# Altium PCB Control_Board.Pcbdoc (part 1 of 2) (continued)
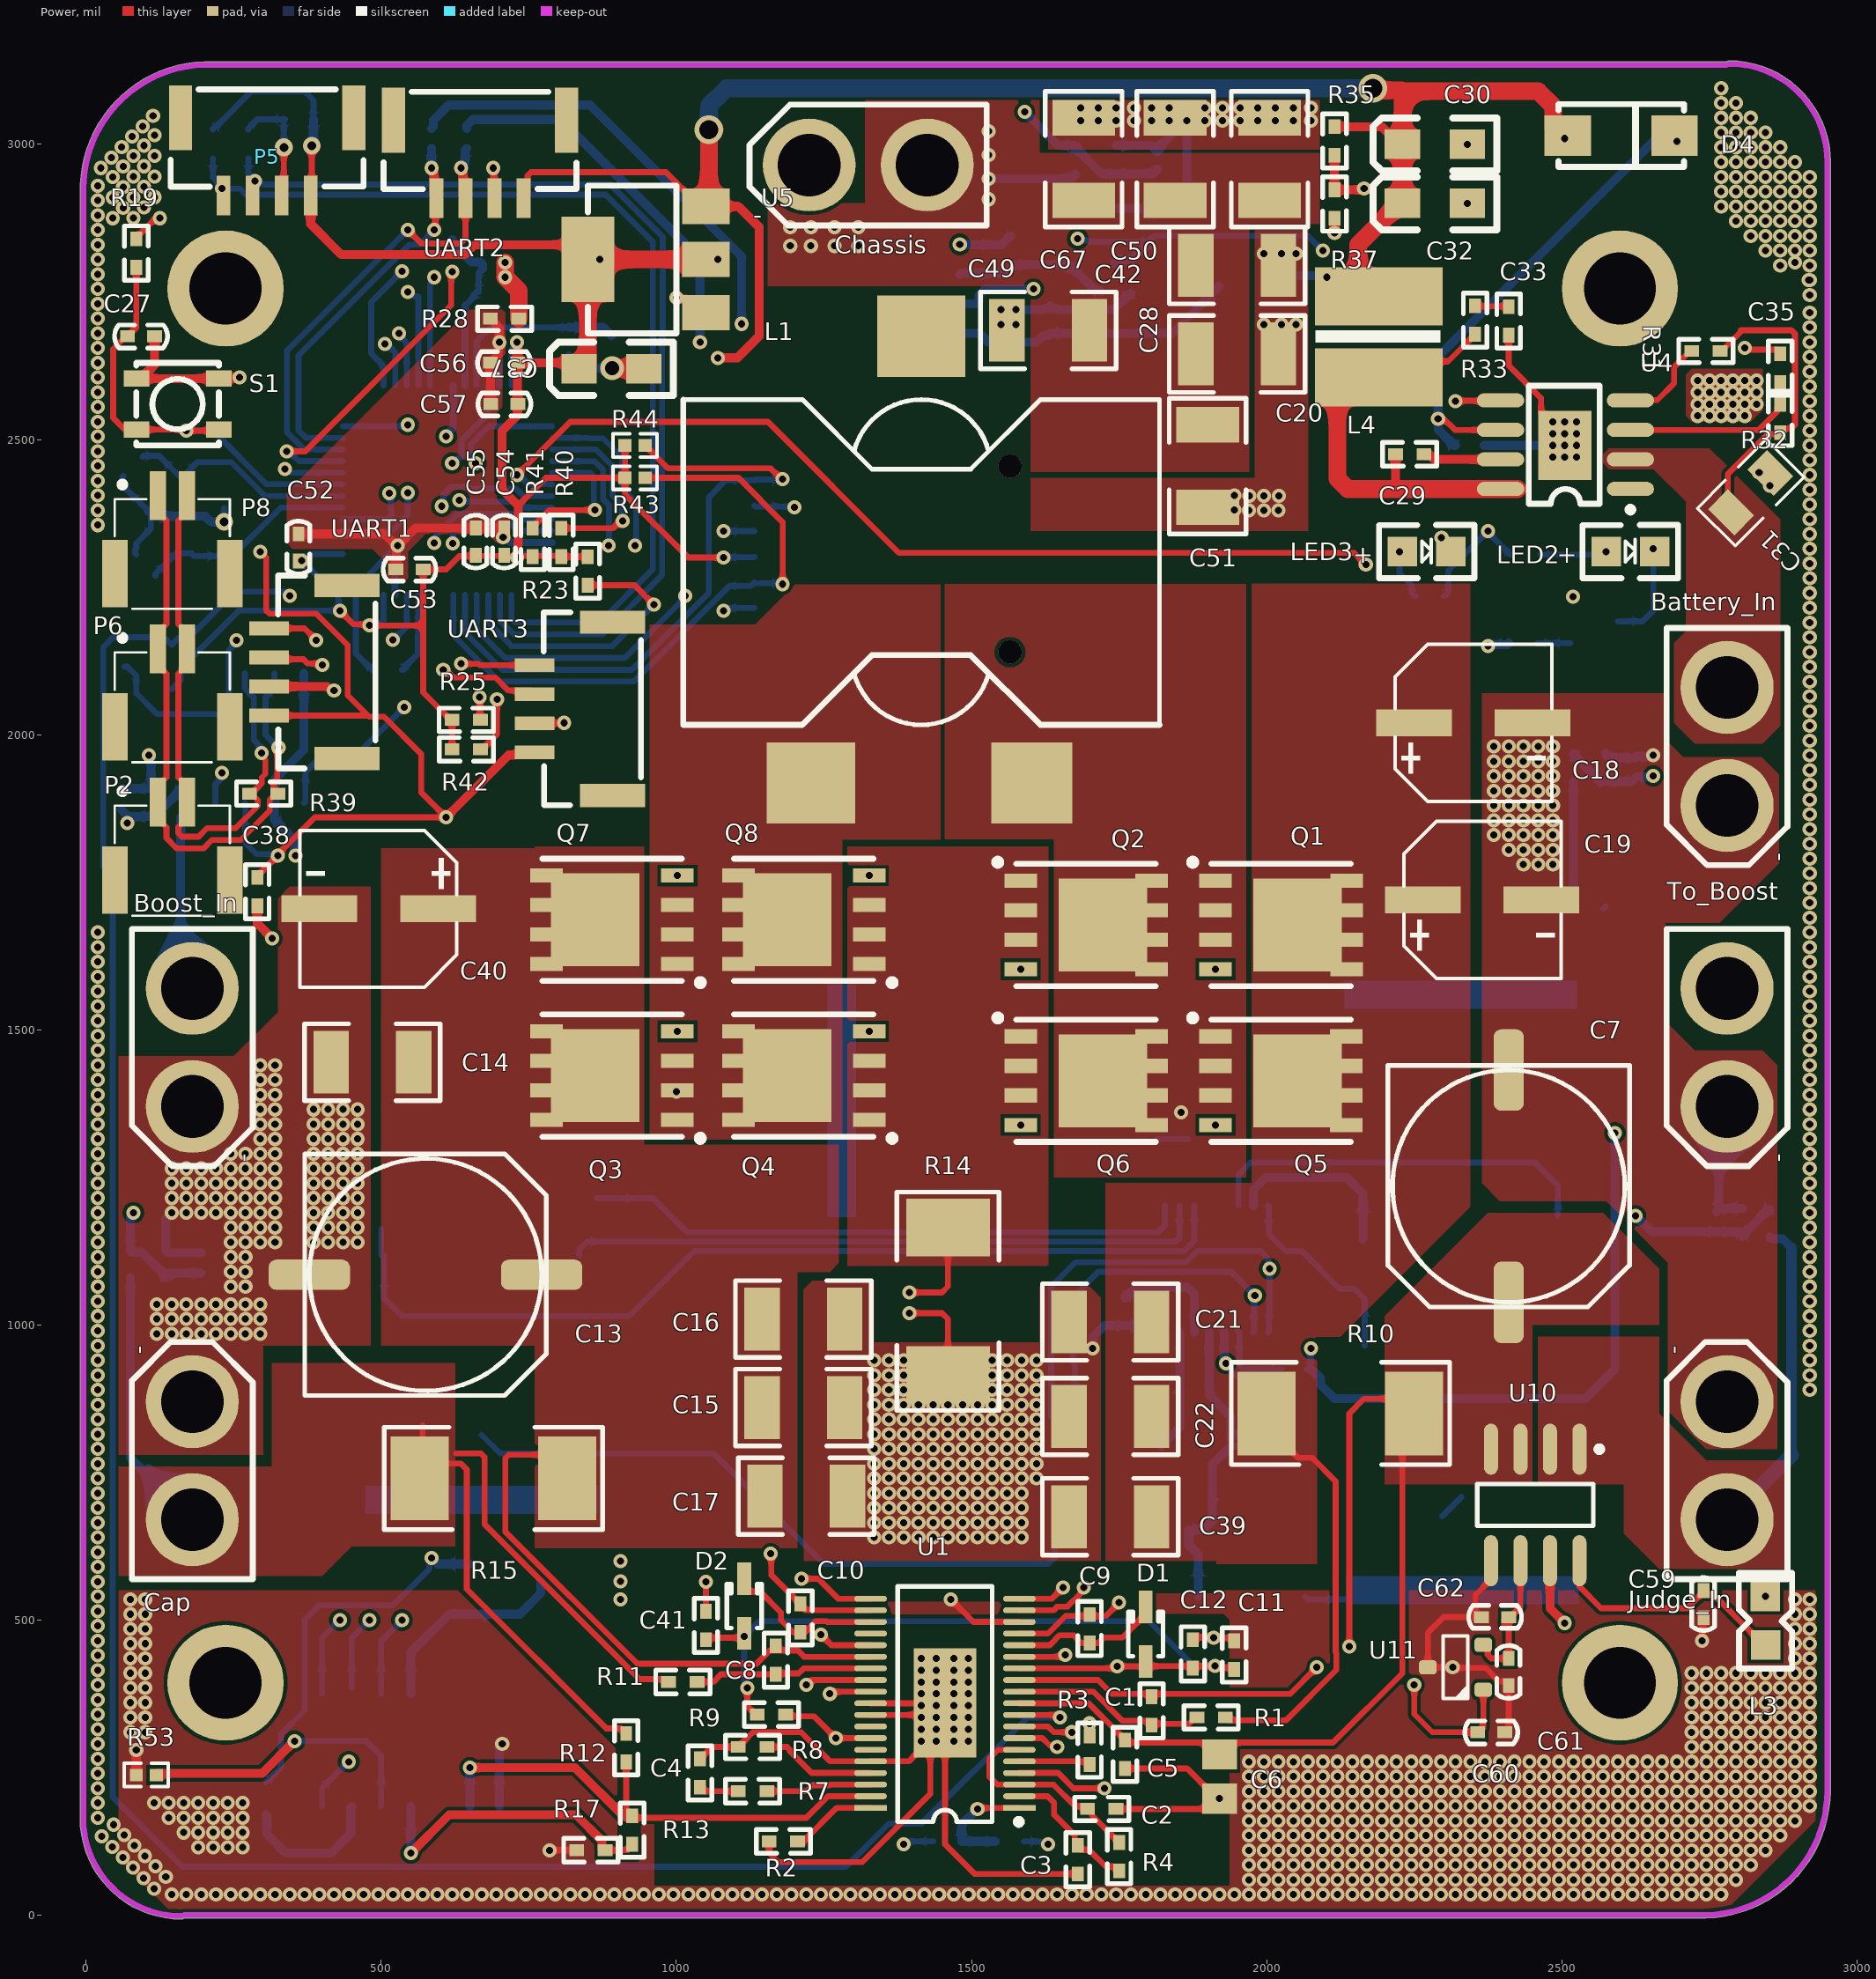
[diagram p0: Power view]
## Footprints (in the part's own frame and the unit in brackets; to place one, negate y for a bottom-side part, rotate by r counter-clockwise, add the part's x,y. Pads: shape width x height; smd on the part's side, far side on the other; paste and mask are expansions set on the pad)
6.3*7.7MM [mm] "6.3*7.7MM电解电容"
  rect 3.26x1.15 smd: 1(2.555,0) 2(-2.555,0)
  silkscreen extent -3.39,-3.38 3.36,3.38
"16P 0.635mm SSOP" [mm]
  oval 1.45x0.45 smd: 1(-2.725,2.222) 2(-2.725,1.588) 3(-2.725,0.953) 4(-2.725,0.318) 5(-2.725,-0.317) 6(-2.725,-0.952) 7(-2.725,-1.587) 8(-2.725,-2.222) 9(2.725,-2.222) 10(2.725,-1.588) 11(2.725,-0.953) 12(2.725,-0.318) 13(2.725,0.317) 14(2.725,0.952) 15(2.725,1.587) 16(2.725,2.222)
  silkscreen extent -1.6,-2.5 1.6,2.5, body extent -2,-2.5 2,2.5, height 2
0805-1C [mm]
  rect 1.2x1.6 smd: 1(-1.2,0) 2(1.2,0)
  silkscreen extent -2.1,-1.15 2.1,1.15, body extent -1.46,-0.72 1.54,0.68, height 0.93
0805-2 [mm] "贴片无丝印"
  rect 1.3x1.5 smd: 1(-0.95,0) 2(0.95,0)
1210 [mil] "贴片元件"
  rect 60x106.3 smd: 1(-70,0) 2(70,0)
  silkscreen extent -115,-65 115,65, body extent -65,-50 65,50, height 39
1210C [mil]
  rect 60x100 smd: 1(-0.2,0.32) 2(134.8,0.32)
  silkscreen extent -50,-70 185,70, body extent 4,-49 130,50, height 51
2512 [mm] "保险丝"
  rect 2.5x3.6 smd: 1(-3.175,0) 2(3.175,0)
  silkscreen extent -4.7,-2.2 4.7,2.2, body extent -3.18,-1.65 3.18,1.65, height 1.2
3216 [mil]
  rect 60x50 smd: 1(55,0) 2(-55,0)
  silkscreen extent -105,-45 105,45, body extent -63,-31 63,31, height 63
C10X10 [mm]
  rrect50% 3.5x1.3 smd: 1(-5,0) 2(5,0)
  silkscreen extent -5.2,-5.2 5.2,5.2, body extent -5.77,-5.12 5.83,5.18, height 10.21
c0402#1 [mil]
  rect 25x20 smd: 1(-1,0) 2(45,0)
  silkscreen extent -23,-19 67,20, body extent 2,-10 42,10, height 20
c0402#2 [mil]
  rect 31.11x21.26 smd paste-3937.01 mask+2: 1(-21.46,0) 2(21.46,0)
  silkscreen extent -46,-20 46,20
CD43NP [mm] "功率电感"
  rect 2x4.5 smd: 1(-1.512,0) 2(1.488,0)
  silkscreen extent -0.17,-2.21 0.17,2.24, body extent -2.41,-2.14 2.39,2.16, height 3.5
CD54NP [mm]
  rect 2.5x5.5 smd mask+0: 1(-1.752,-0.001) 2(1.748,-0.001)
  silkscreen extent -0.25,-2.64 0.28,2.72, body extent -2.89,-2.6 2.87,2.6, height 4.5
DO-214 [mm]
  rect 2x1.75 smd: 1(0,0) 2(4.6,0)
  silkscreen extent -0.4,-1.35 5,1.35, body extent -0.2,-1.34 4.91,1.33, height 2.12
gh1.25 [mm]
  rect 1.1x2.9 smd: 0(-2.25,0.8) 0(2.7,0.8)
  rect 0.7x2.1 smd: 1(0.85,-2.55) 2(-0.4,-2.55)
  silkscreen extent -2.25,-3.15 2.7,2.32, body extent -2.09,-3.41 2.41,2.39, height 4.1
GH1.25 [mm]
  rect 1.1x2.9 smd: 0(-2.25,0.8) 0(2.7,0.8)
  rect 0.7x2.1 smd: 1(0.85,-2.55) 2(-0.4,-2.55)
  silkscreen extent -2.25,-3.15 2.7,2.32, body extent -2.09,-3.41 2.41,2.39, height 4.1
"GH1.25 4P 立贴" [mm]
  rect 0.6x1.7 smd: 1(-1.809,2.44) 2(-0.559,2.44) 3(0.691,2.44) 4(1.941,2.44)
  rect 1x2.8 smd: 5(3.791,-0.91) 6(-3.659,-0.91)
  silkscreen extent -4.08,-2.13 4.22,2.05
"gh1.25 4p 立贴" [mm]
  rect 0.6x1.7 smd: 1(-1.809,2.44) 2(-0.559,2.44) 3(0.691,2.44) 4(1.941,2.44)
  rect 1x2.8 smd: 5(3.791,-0.91) 6(-3.659,-0.91)
  silkscreen extent -4.08,-2.13 4.22,2.05
"INFINEON PG-HSOF-8-1" [mm]
  oval 2.7x1 smd: 1(-5.025,4.2) 2(-5.025,3) 3(-5.025,1.8) 4(-5.025,0.6) 5(-5.025,-0.6) 6(-5.025,-1.8) 7(-5.025,-3) 8(-5.025,-4.2)
  rect 6.75x8 smd: 9(2.7,0)
  Power region: 4.9,5 6.1,5 6.1,-5 4.9,-5
  silkscreen extent -5.62,-5.3 4.9,5.53, body extent -5.81,-4.95 5.92,4.95, height 2.3
KEY_SMD [mm]
  rect 1.1x0.7 smd: 1(-1.775,-1.1) 1(1.775,-1.1) 2(-1.775,1.1) 2(1.775,1.1)
  silkscreen extent -1.78,-1.78 1.78,1.78
l0805 [mil] "1/8W"
  rect 50x50 smd: 1(0,0) 2(82.3,0.2)
  silkscreen extent -40,-45 122,45, body extent 1,-24 80,25, height 22
LED0805 [mil]
  rect 50x50 smd: 1(0,0) 2(82.3,0.2)
  silkscreen extent -40,-45 122,45, body extent 2,-25 80,25, height 20
LM358 [mil]
  oval 80x24 smd: 1(-96,79) 2(-96,29) 3(-96,-21) 4(-96,-71) 5(124,-71) 6(124,-21) 7(124,29) 8(124,79)
  silkscreen extent -36,-96 64,104, body extent -104,-94 134,104, height 63
LQFP-48 [mm]
  oval 2x0.3 smd: 1(-4.5,2.75) 2(-4.5,2.25) 3(-4.5,1.75) 4(-4.5,1.25) 5(-4.5,0.75) 6(-4.5,0.25) 7(-4.5,-0.25) 8(-4.5,-0.75) 9(-4.5,-1.25) 10(-4.5,-1.75) 11(-4.5,-2.25) 12(-4.5,-2.75) 25(4.5,-2.75) 26(4.5,-2.25) 27(4.5,-1.75) 28(4.5,-1.25) 29(4.5,-0.75) 30(4.5,-0.25) 31(4.5,0.25) 32(4.5,0.75) 33(4.5,1.25) 34(4.5,1.75) 35(4.5,2.25) 36(4.5,2.75)
  oval 0.3x2 smd: 13(-2.75,-4.5) 14(-2.25,-4.5) 15(-1.75,-4.5) 16(-1.25,-4.5) 17(-0.75,-4.5) 18(-0.25,-4.5) 19(0.25,-4.5) 20(0.75,-4.5) 21(1.25,-4.5) 22(1.75,-4.5) 23(2.25,-4.5) 24(2.75,-4.5) 37(2.75,4.5) 38(2.25,4.5) 39(1.75,4.5) 40(1.25,4.5) 41(0.75,4.5) 42(0.25,4.5) 43(-0.25,4.5) 44(-0.75,4.5) 45(-1.25,4.5) 46(-1.75,4.5) 47(-2.25,4.5) 48(-2.75,4.5)
  silkscreen extent -5.56,-4.5 4.5,4.64
PG-TDSON-8 [mm]
  rect 0.61x1.4 smd: 1(1.843,-3.224) 2(-1.967,2.408) 2(-0.697,2.408) 2(0.573,2.408) 2(1.843,2.408) 3(-1.967,-3.224) 3(-0.697,-3.224) 3(0.573,-3.224)
  rect 4x3.81 smd: 2(-0.062,0.308)
  silkscreen extent -2.89,-4.33 2.57,2.59
r0402#1 [mil] "1/16W"
  rect 25x20 smd: 1(0,0) 2(48.2,0)
  silkscreen extent -22,-20 70,20, body extent 5,-10 44,10, height 14
r0402#2 [mil]
  rect 22.27x21.26 smd paste-3937.01 mask+2: 1(-17.04,0) 2(17.04,0)
  silkscreen extent -37,-20 37,20
R0402 [mm]
  rect 0.566x0.54 smd paste-100 mask+0.051: 1(-0.433,0) 2(0.433,0)
  silkscreen extent -0.94,-0.5 0.94,0.5
SER_2000 [mm]
  rect 3.8x3.5 smd: 0(10.25,16.725) 1(5.5,-2.5)
  rect 3.5x3.5 smd: 2(15,-2.5)
  silkscreen extent 0,0 20.5,14, body extent -0.32,-1.9 20.68,14.1, height 18.01
SIM-SMD_LX_XDFP-0090-012 [mm]
  rect 0.7x1.6 smd paste+0 mask+0.051: 1(2.25,7.186) 2(1.15,7.186) 3(0.05,7.186) 4(-1.05,7.186) 5(-2.15,7.186) 6(-3.25,7.186) 7(-4.35,7.186) 8(-5.45,7.186) 9(-6.55,7.186)
  rect 1.2x2.2 smd paste+0 mask+0.051: 10(-7.75,-3.414) 10(7.75,-3.414)
  rect 1.2x1.8 smd paste+0 mask+0.051: 10(-7.75,5.886)
  rect 1.6x1.5 smd paste+0 mask+0.051: 10(6.85,6.136)
  round 1 hole 1 unplated paste+0: ""(-4.95,-3.814) ""(3.05,-3.814)
  silkscreen extent -7.11,-7.86 7.74,6.87
SO8E [mil]
  oval 80x24 smd: 1(0,0) 2(0,-50) 3(0,-100) 4(0,-150) 5(220,-150) 6(220,-100) 7(220,-50) 8(220,0)
  rect 90.55x117.72 smd: 9(111.23,-73.8)
  silkscreen extent -5,-175 172,40, body extent -8,-173 230,25, height 63
sod323 [mm] "0805"
  rect 1.4x0.6 smd: 1(0,0) 2(2.35,0)
  silkscreen extent 0.22,-0.75 2.12,0.75, body extent -0.17,-0.67 2.43,0.63, height 1
SOIC8_N [mm] "8-Pin Small Outline Integrated Circuit Package (SOIC8), IPC Medium Density"
  oval 2.2x0.6 smd: 1(-2.4,1.905) 2(-2.4,0.635) 3(-2.4,-0.635) 4(-2.4,-1.905) 5(2.4,-1.905) 6(2.4,-0.635) 7(2.4,0.635) 8(2.4,1.905)
  silkscreen extent -2.52,-2.5 0.9,2.88, body extent -1.95,-2.45 1.95,2.45, height 1.75
SOIC14 [mm]
  oval 2.2x0.6 smd: 1(-2.425,3.81) 2(-2.425,2.54) 3(-2.425,1.27) 4(-2.425,0) 5(-2.425,-1.27) 6(-2.425,-2.54) 7(-2.425,-3.81) 8(2.425,-3.81) 9(2.425,-2.54) 10(2.425,-1.27) 11(2.425,0) 12(2.425,1.27) 13(2.425,2.54) 14(2.425,3.81)
  silkscreen extent -2.55,-4.4 0.93,4.79, body extent -2.9,-4.24 2.9,4.29, height 1.75
sot23-3 [mil]
  rrect50% 30x24 smd: 1(-47,38) 2(-47,-38) 3(47,0)
  silkscreen extent -21,-53 21,53, body extent -55,-57 55,57, height 51
SOT-23 [mil]
  rect 40x40 smd: 1(4.88,0.63) 2(79.88,0.63)
  rect 40x50 smd: 3(41.88,80.63)
  silkscreen extent -15,-4 100,86, body extent -15,-11 99,99, height 47
sot-223 [mil]
  rect 60x80 smd: 1(-90,0) 2(0,0) 3(90,0)
  rect 145x90 smd: 4(0,200)
  silkscreen extent -125,50 125,200, body extent -127,-33 129,243, height 71
TSSOP38 [mm]
  rect 1.4x0.25 smd: 1(-3.2,4.5) 38(3.2,4.5)
  oval 1.4x0.25 smd: 2(-3.2,4) 3(-3.2,3.5) 4(-3.2,3) 5(-3.2,2.5) 6(-3.2,2) 7(-3.2,1.5) 8(-3.2,1) 9(-3.2,0.5) 10(-3.2,0) 11(-3.2,-0.5) 12(-3.2,-1) 13(-3.2,-1.5) 14(-3.2,-2) 15(-3.2,-2.5) 16(-3.2,-3) 17(-3.2,-3.5) 18(-3.2,-4) 19(-3.2,-4.5) 20(3.2,-4.5) 21(3.2,-4) 22(3.2,-3.5) 23(3.2,-3) 24(3.2,-2.5) 25(3.2,-2) 26(3.2,-1.5) 27(3.2,-1) 28(3.2,-0.5) 29(3.2,0) 30(3.2,0.5) 31(3.2,1) 32(3.2,1.5) 33(3.2,2) 34(3.2,2.5) 35(3.2,3) 36(3.2,3.5) 37(3.2,4)
  rect 2.7x4.7 smd: 39(0,-0.025)
  silkscreen extent -3.3,-5.02 2.03,5.23, body extent -3.2,-4.63 3.2,5.17, height 1.03
XT30-M [mm]
  round 4 hole 2.7: 1(-2.54,0) 2(2.54,0)
  silkscreen extent -5.1,-2.6 5.11,2.6, body extent -5.1,-2.8 5.1,2.8, height 10.66
XTAL-3225 [mil]
  rect 47.24x59.06 smd: 1(-38.5,51) 2(-39.5,-52) 3(39.5,-52) 4(38.5,52)
  silkscreen extent -50,-65 48,61, body extent -50,-65 48,61, height 31

## Part data
Battery_In Boost_In Chassis To_Boost: library part "Header 2H", "Header, 2-Pin, Right Angle", LatestRevisionDate=17-Jul-2002, LatestRevisionNote="Re-released for DXP Platform.", Publisher="Altium Limited"
C1 C2 C3 C4 C5 C6 C9 C10 C11 C12 C14 C15 C16 C17 C20 C21 C22 C23 C24 C25 C26 C27 C28 C29 C31 C33 C34 C36 C37 C39 C41 C42 C49 C50 C51 C52 C53 C54 C55 C56 C57 C58 C63 C65 C66 C67 C68 C69 C70 C71: library part Cap, "无极性电容", LatestRevisionDate=17-Jul-2002, LatestRevisionNote="Re-released for DXP Platform.", PackageReference=RAD-0.3, Published=8-Jun-2000, Publisher="Altium Limited"
C7 C18 C19: library part "Cap Pol", "极性电解电容", LatestRevisionDate=17-Jul-2002, LatestRevisionNote="Re-released for DXP Platform.", PackageReference=RB7.6-15, Published=8-Jun-2000, Publisher="Altium Limited"
  C7: Vol=35V
  C18 C19: Vol=50V
C8: "无极性电容", LatestRevisionDate=17-Jul-2002, LatestRevisionNote="Re-released for DXP Platform.", PackageReference=RAD-0.3, Published=8-Jun-2000, Publisher="Altium Limited"
C13 C40: "极性电解电容", LatestRevisionDate=17-Jul-2002, LatestRevisionNote="Re-released for DXP Platform.", PackageReference=RB7.6-15, Published=8-Jun-2000, Publisher="Altium Limited"
  C13: Vol=35V
  C40: Vol=50V
C30 C32: library part CAP2, "贴片电解", PackageDescription="Capacitor; 2 Leads", PackageReference=CAPR5-4X5, Published=23-Sep-2002, Publisher="Altium Limited"
C35: library part CAP-W, "贴片电容1206", C=104
C38: library part C, "贴片电容", BOM名称=无极性贴片电容, 封装库来自淘宝卖家ID：黄晶宝石=其他店铺购入均为盗版假冒封装库，请立即申请退款, 联系卖家，免费查找封装=唯一出售店铺网址https://shop463601444.taobao.com
C43 C44 C45 C46 C47 C48 C59 C60 C61 C62: library part Cap_0402_1, "Capacitor", Specification="X7R 50V", Type=0402
Cap Judge_In: library part "Header 2", "接插件", LatestRevisionDate=17-Jul-2002, LatestRevisionNote="Re-released for DXP Platform.", Publisher="Altium Limited"
D1 D2: "肖特基二极管", Code_JEDEC=DO-214-AA, LatestRevisionDate=17-Jul-2002, LatestRevisionNote="Re-released for DXP Platform.", PackageReference=SMB, Published=8-Jun-2000, Publisher="Altium Limited", Type=BAT46WJ
D3 D4 D5: library part Diode, "肖特基二极管", Code_JEDEC=DO-214-AB, LatestRevisionDate=17-Jul-2002, LatestRevisionNote="Re-released for DXP Platform.", PackageDescription="DO-214-AB/SMC; 2 C-Bend Leads; Body 7.9 x 5.9 mm, inc. leads (LxW)", PackageReference=SMC, PackageVersion=Sep-1996, Published=8-Jun-2000, Publisher="Altium Limited"
IC1 IC2 IC3 IC4: "MOSFET N-CH 100V 300A 8HSOF", Current Continuous Drain="300A (Tc)", Device Package=8-PowerSFN, Drain to Source Voltage (Vdss)=100V, Input Capacitance (Ciss) at Vds="11200pF @ 50V", Manufacturer="Infineon Technologies", Power - Max=375W, Supplier Part Number 1=IPT020N10N3ATMA1TR-ND, ComponentLink1Description=Datasheet, ComponentLink1URL=http://www.infineon.com/dgdl/IPT020N10N3_Rev1.1.pdf?folderId=db3a304313b8b5a60113cee8763b02d7&fileId=db3a30433e9d5d11013e9e58035b0158, ComponentLink2Description="Digi-Key Listing", ComponentLink2URL=http://www.digikey.com/product-detail/en/IPT020N10N3ATMA1/IPT020N10N3ATMA1TR-ND/4571872, Features=Standard, Gate Charge (Qg)="156nC @ 10V", Part Number=IPT020N10N3ATMA1, PartId=7970, Price=3.3442, Rds On (Max) at Id, Vgs="2 mOhm @ 150A, 10V", Supplier 1=Digi-Key, Type="MOSFET N-Channel, Metal Oxide", Vgs(th) (Max) at Id="3.5V @ 272uA"
L1: library part L, "扁铜线功率电感", L="10uh 15A"
L2 L3 L4 L5 L6 L8: library part Inductor, "功率电感", Code_IEC=1005, Code_JEITA=0402, LatestRevisionDate=29-May-2009, LatestRevisionNote="IPC-7351 Footprint Added.", PackageDescription="Chip Inductor", PackageReference=0402-A, Published=8-Jun-2000, Publisher="Altium Limited"
LED2 LED3: library part LED, "贴片LED", COLOR=blue
P5 UART1 UART2 UART3: "排针", LatestRevisionDate=17-Jul-2002, LatestRevisionNote="Re-released for DXP Platform.", Publisher="Altium Limited"
Q1 Q2 Q3 Q4 Q5 Q6 Q7 Q8: library part NMOS-2, "MOS", ComponentLink1Description="Manufacturer Link", ComponentLink1URL=http://www.irf.com/, DatasheetVersion=PD-9.814, LatestRevisionDate=17-Jul-2002, LatestRevisionNote="Re-released for DXP Platform.", Note="Pin 2 is electrically connected to pin 4.", PackageDescription="TO, Thru-Hole, Vertical, Heatsink Mounted; 3 In-Line Leads; Pitch 2.54 mm", PackageReference=TO-220AB, PackageVersion=Feb-1997, Published=8-Jun-2000, Publisher="Altium Limited"
Q9: "NPN贴片三极管", PackageDocument=Sep-1998, Code_JEDEC=TO-92A, ComponentLink1Description="Manufacturer Link", ComponentLink1URL=http://www.fairchildsemi.com/, ComponentLink2Description=Datasheet, ComponentLink2URL=http://www.fairchildsemi.com/ds/2N%2F2N3904.pdf, DatasheetDocument=1997, LatestRevisionDate=15-Jan-2003, LatestRevisionNote="PCB Footprint 'BCY-W3/D4.7' replaced", PackageReference=TO-92A, Published=8-Jun-2000, Publisher="Altium Limited"
Q10 Q12: library part SS8050, "TVS(l懒得找原理图了)", PackageDocument=Sep-1998, Code_JEDEC=TO-92A, ComponentLink1Description="Manufacturer Link", ComponentLink1URL=http://www.fairchildsemi.com/, ComponentLink2Description=Datasheet, ComponentLink2URL=http://www.fairchildsemi.com/ds/2N%2F2N3904.pdf, DatasheetDocument=1997, LatestRevisionDate=15-Jan-2003, LatestRevisionNote="PCB Footprint 'BCY-W3/D4.7' replaced", PackageReference=TO-92A, Published=8-Jun-2000, Publisher="Altium Limited"
R1 R2 R3 R4 R5 R6 R7 R8 R9 R10 R11 R12 R13 R14 R15 R16 R17 R18 R19 R20 R21 R22 R23 R26 R27 R29 R30 R34 R36 R38 R43 R44 R45 R46 R47 R48 R49 R50 R51: library part Res1, "贴片电阻", LatestRevisionDate=17-Jul-2002, LatestRevisionNote="Re-released for DXP Platform.", PackageReference=AXIAL-0.4, Published=8-Jun-2000, Publisher="Altium Limited"
R24 R25 R28 R31 R32 R33 R35 R37 R39 R40 R41 R42 R52 R53: library part R, "贴片电阻", BOM名称=贴片电阻, 封装库来自淘宝卖家ID：黄晶宝石=其他店铺购入均为盗版假冒封装库，请立即申请退款, 联系卖家，免费查找封装=唯一出售店铺网址https://shop463601444.taobao.com
U1: library part LT3790, "DC-DC芯片"
U2: library part AD8402ARZ100, BOM_Manufacturer=ADI(亚德诺)/LINEAR, BOM_Manufacturer Part=AD8402ARZ100, BOM_Supplier=LCSC, BOM_Supplier Part=C652776, Contributor=LCSC, spicePre=U, spiceSymbolName=AD8402ARZ100
U4: "电源管理芯片"
U6: library part TLP250
U7 U10: library part TMCS1100
U9 U11 U14: library part REF33
U13: BOM_JLCPCB Part Class="Extended Part", BOM_Manufacturer=STMicroelectronics, BOM_Manufacturer Part=STM32G431CBT6, BOM_Supplier=LCSC, BOM_Supplier Part=C529355, Contributor=LCSC, spicePre=U, spiceSymbolName=STM32G431CBT6
X1: library part XTAL-4P, "4脚无源晶振"

## Free pads (board coordinates)
  round 196.85 hole 122.05: 5(236.22,393.7) 5(236.22,2755.91) 5(2598.43,393.7) 5(2598.43,2755.91)

## Via types
v1: diameter 24, hole 12, Power to Digital_signal, 1408 vias
v2: diameter 30, hole 15, Power to Digital_signal, 3 vias
v3: diameter 48, hole 32, Power to Digital_signal, 2 vias
v4: diameter 40, hole 24, Power to Digital_signal, 1 vias

## Nets (pads, with @x,y where several pads share a name; then routed paths per layer and width w, separated by ;. In a path a pad name is that pad's centre, name@x,y a point inside that pad or via, vN(x,y) a via of type N, cw(c..) or ccw(c..) an arc to the next point about the centre after c; other vN are vias at no path point)
5V: C30.1 C32.1 C38.2 D4.1 L2.2 L3.2 L4.2 L5.2 R24.2 R35.1 U5.3 U6.3 UART1.1 UART2.1 UART3.1 | length 10244
  Power w10: C38.2@290,1758.2 290,1760.7 324.3,1795 v1(325,1795) 325,1797.53 387.47,1860 v1(610,1860) 567.5,1902.5 567.5,1967.5 504.5,2030.5 479.5,2030.5 477.5,2032.5 ; v1(295,2310) 305,2300 305,2210.86 310.86,2205 390,2205 443,2152 443,2067 477.5,2032.5 ; UART1.1@310,2032.36 310.07,2032.43 477.43,2032.43 477.5,2032.5 ; UART2.1@741.22,2908.93 748.03,2915.74 748.03,2947.14 753.89,2953 982,2953 1015,2920 1026.07,2908.93 1036.07,2908.93 1042.5,2902.5 U5.3@1050,2895 ; UART3.1@749.17,1970 UART3.1@760,1970 ; v1@1069.02,2638.16 v1@1070,2637.17
  Power w15: v1(610,1860) 715.69,1965.69 744.86,1965.69 UART3.1@749.17,1970 ; U5.3@1050,2895 1105,2895 1140,2860 1140,2675 1103.47,2638.47 1070.32,2638.47 v1(1070,2638.16) ; R35.1@2115,3030 2195,3030 2225,3000 C30.1@2230,3000 ; L4.2@2155.5,2775 L4.2@2156.65,2776.15 ; C32.1@2230,2900 C32.1@2230,2905
  Power w30: U5.3@1042.5,2902.5 1055,2915 1055,3000 v3(1055,3025) v3@1065,3025 ; v3(2180,3095) 2183.44,3091.56 2228.44,3091.56 2230,3090 ; L4.2@2190,2742.8 2189.21,2742.8 2155,2777.01 2155,2830 2230,2905 C30.1@2230,3000 2230,3090 ; v1(2505,3010) 2485.63,3029.37 2485.63,3064.37 2460,3090 2230,3090
  A_signal w10: v1(295,2310) 295,2530 354,2589 1020.84,2589 v1(1070,2638.16)
  A_signal w15: v1(585,605) 560.5,629.5 560.5,1840.5 580,1860 v1(610,1860) ; v1(2505,3010) 2604.62,3010 2890,2724.62 2890,585 v1(2845,540)
  Digital_signal w10: U6.3@269,1884 270,1883 270,1816.21 288.53,1797.68 322.32,1797.68 v1(325,1795) ; R24.2@305,225 330,250 330,306.53 370,346.53 370,500 395,525 520,525 581.64,586.64 581.64,592.14 ; v1(585,605) 595,595
  Digital_signal w15: 595,595 L2.2@650,595 ; L5.2@2002.3,2759.8 2019.8,2777.3 2093.34,2777.3 2093.91,2776.72 2100.28,2776.72 v1(2102,2775)
  Digital_signal w30: v3@1050,3035 1055,3040 1055,3065 1085,3095 v3(2180,3095)
8051FB: R35.2 R37.2 U4.5 | length 612.1
  Power w10: v1(2320,2565) 2320.6,2565.6 2395.64,2565.6 U4.5@2396.23,2566.2
  Power w15: R35.2@2113.59,2980.71 R35.2@2115.31,2978.99 ; R37.2@2114.69,2923.51 R35.2@2114.69,2977.81 ; R37.2@2115,2923.2 2115,2925.7 2115,2925.59 2117.5,2923.09 2160.65,2923.09 2162.56,2925 v1(2165,2925)
  A_signal w10: v1(2165,2925) 2320,2770 v1(2320,2565)
8402_CLK: R40.1 U2.9 U13.27 | length 2504.6
  Power w10: R40.1@805,2349.85 892.79,2349.85 905.04,2362.11 v1(908.83,2362.11)
  A_signal w10: v1(480,500) 510,530 510,1939.69 643.31,2073 643.31,2073.22 850,2279.9 850,2327.73 881.83,2359.56 906.28,2359.56 v1(908.83,2362.11)
  Digital_signal w10: U2.9@450,385 450,470 v1(480,500) ; U13.27@789.33,2483.11 863.89,2483.11 892,2455 892,2405.47 908.37,2389.11 908.37,2362.57 v1(908.83,2362.11)
8402_CS: R42.1 U2.7 U13.26 | length 2809.8
  Power w10: R42.1@668.2,1975 670.7,1975 696.07,2000.37 v1(696.07,2059.86)
  A_signal w10: v1(445,260) 529.5,260 558,288.5 558,512 542,528 542,1906.85 695.01,2059.86 v1(696.07,2059.86) ; v1@695,2060 930,2295 v1(930,2320)
  Digital_signal w10: U2.7@400,184.53 400,215.51 444.49,260 v1(445,260) ; U13.26@789.33,2502.8 849.32,2502.8 850.11,2502 875.8,2502 908,2469.8 908,2417 932,2393 932,2322 v1(930,2320)
8402_RESET: R25.2 U2.10 U13.28 | length 2379
  Power w10: v1(666.31,2063.69) 667.26,2062.74 667.26,2025.94 R25.2@668.2,2025
  A_signal w10: v1(535,500) 535,503.79 526,512.79 526,1926.1 597.62,1997.72 663.59,2063.69 v1(666.31,2063.69) ; v1@664.95,2065.05 667.67,2065.05 885,2282.38 v1(885,2320)
  Digital_signal w10: U2.10@500,375.47 500,465 v1(535,500) ; U13.28@789.33,2463.43 789.68,2463.08 861.29,2463.08 876,2448.37 876,2398.85 885.83,2389.02 885.83,2320.83 v1(885,2320)
8402_SDI: R41.1 U2.8 U13.29 | length 2449.2
  Power w10: R41.1@756.67,2349.85 756.67,2352.35 784.81,2380.5 v1(861.82,2380.5)
  A_signal w10: v1(430,500) 433.79,500 440.7,506.91 441.27,506.91 494,559.65 494,1946.32 613.62,2065.94 613.62,2066.15 830,2282.53 830,2348.68 v1(861.82,2380.5)
  Digital_signal w10: U2.8@400,375.47 400,470 v1(430,500) ; U13.29@789.33,2443.74 789.68,2443.39 854.14,2443.39 860,2437.54 860,2382.32 v1(861.82,2380.5)
8501VCC: C34.1 D4.2 U4.6 | length 826.3
  Power w10: v1@2300,2535 2318.8,2516.2 U4.6@2396.23,2516.2
  Power w15: v1@2287.88,2535 v1(2290.31,2535)
  Digital_signal w15: C34.1@2315,2492.5 2317.5,2490 C34.1@2320,2490 ; C34.1@2315,2492.54 2290.82,2516.72 2290.82,2534.49 v1(2290.31,2535) 2290.31,2640.32 2655,3005 v1(2695,3005)
+3.0V: C63.1 C65.1 U13.20 U14.2 | length 291.8
  Digital_signal w10: 641.69,2726.62 656.5,2741.42 656.5,2745 661.5,2750 665.08,2750 665.08,2782.53 U14.2@672,2789.46
  Digital_signal w12: U13.20@641.69,2591.38 641.69,2726.62
  Digital_signal w15: C63.1@620,2838.54 620,2833.62 653.12,2800.5 667.5,2800.5 672,2796 U14.2@672,2793 U14.2@672,2789.46
+3.3: C26.2 C37.1 C44.2 C52.1 C53.1 C54.1 C55.1 C56.1 C57.1 C58.1 C60.2 L8.1 P5.1 Q12.2 R19.2 R22.2 R23.2 R25.1 R30.1 R34.1 R36.2 R40.2 R41.2 R42.2 R43.2 R44.2 U3.4 U5.2 U5.4 U9.1 U11.1 U13.1 U13.24 U13.36 U13.48 U14.1 | length 9243.5
  Power w10: R19.2@85,2840 85,2842.5 117.5,2875 v1(125,2875) ; C52.1@360,2294 364,2294 v1(365,2295) ; P5.1@380.47,2913.11 382.3,2914.94 v2(382.3,2997.7) ; v1(430,2210) 453,2187 473.53,2187 475,2185.53 v1@475,2185 ; v1@476,2185 v1@476.21,2185 ; v1(480,2185) 571,2185 ; C53.1@571,2280 571,2185 ; C53.1@573.5,2280 609.75,2280 632.38,2302.62 C55.1@660,2302.62 ; R42.2@620,1975 R25.1@620,2025 617.5,2025 571,2071.5 571,2185 ; C55.1@660,2304 661.17,2302.83 708.33,2302.83 731.72,2302.83 756.67,2302.83 803.83,2302.83 R40.2@805,2301.65 805.13,2301.52 849.69,2301.52 R23.2@849.82,2301.38 ; 732,2388 779,2435 R43.2@912.96,2435 ; R44.2@912.96,2490 R43.2@912.96,2435 ; v1(1080,2300) 1020,2300 912.96,2407.04 R43.2@912.96,2435 ; v1(2250,390) 2250,340.71 2280.71,310 C60.2@2357.5,310 2360,310 2367,317 U11.1@2367,382 ; U11.1@2367,387 U11.1@2375,387
  Power w15: P5.1@380.47,2913.11 380.47,2865.09 432.06,2813.5 641.6,2813.5 658.1,2830 825,2830 U5.4@850,2805 ; v1(730,2300) 731.72,2301.72 731.72,2302.83 731.72,2323.66 732,2323.94 732,2388 704.5,2415.5 704.5,2514.5 730.59,2540.59 730.59,2559.09 C57.1@731.5,2560 ; v1(730,2665) 730.75,2664.25 730.75,2630 C57.1@730.75,2560.75 ; C56.1@733.5,2630 825,2630 C37.1@835,2620
  Power w30: C37.1@835,2620 840,2620 850,2630 U5.4@850,2805 v1(870,2805) U5.2@1050,2805 v1(1070,2805)
  A_signal w10: v1(125,2875) 280,3030 350,3030 v2(382.3,2997.7) ; v1(1070,2805) 1073.79,2805 1081.07,2797.71 1637.71,2797.71 v1(1680,2840) ; v1(2075,960) 2072.32,957.32 2072.32,949.46 2070,947.14 2070,570 v1(2250,390) ; v1(2095,2820) 2135,2780 2135,2585 v1(2375,2345) 2595,2125 2595,1729.39 2590,1724.39 v1(2590,1325)
  Digital_signal w10: Q12.2@145,2077 160,2092 160,2111.44 258.56,2210 v1(430,2210) 427.32,2212.68 427.32,2232.68 v1(365,2295) 368.79,2295 379.73,2305.95 U13.1@435,2305.95 ; R30.1@215,3024.69 215,3027.19 220,3032.19 222.5,3032.19 280.32,3090 370,3090 385.17,3074.83 C26.2@385.17,3042.5 ; v1(480,2185) 482.68,2187.68 497.68,2187.68 503.9,2193.9 U13.48@503.9,2237.05 ; U13.24@720.43,2591.38 720.43,2651.64 730,2661.21 v1(730,2665) ; 742.5,2306.29 788.98,2306.29 U13.36@789.33,2305.95 ; 850.2,2757.3 L8.1@870,2777.1 ; v1(1080,2300) 1080.67,2300.67 1131.42,2300.67 U3.4@1132.09,2301.34 ; v1(1680,2840) 1682.68,2837.32 1697.68,2837.32 1700,2835 C44.2@1800,2835 1800,2837.5 1805,2842.5 1808.36,2842.5 1810.86,2845 2070,2845 v1(2095,2820) ; R22.2@2068.2,925 2069.1,925 2074.1,930 2074.1,959.1 v1(2075,960) ; R36.2@2300,2235 2302.5,2235 2307.5,2240 2307.5,2277.5 v1(2375,2345) ; v1@2375,2342.5 2412.5,2305 R34.1@2415,2305
  Digital_signal w15: v2(382.3,2997.7) 385.17,3000.57 C26.2@385.17,3042.5 ; U9.1@1743,2798 1743,2801 1747.5,2805.5 1773,2805.5 1797.5,2830 1797.5,2832.5 C44.2@1800,2835 ; R22.2@2073.2,925 2075.7,925 2091.63,909.07 2091.63,898.37 2115,875 2540,875 2590,925 v1(2590,1325)
Adc_Boost: C71.2 R50.1 R51.1 U13.8 | length 945.1
  A_signal w10: v1(70,1850) 70,2007.53 336.68,2274.2 v1(336.68,2450.18)
  Digital_signal w10: v1(70,1850) 73.79,1850 85,1861.21 ; 346.91,2443.74 U13.8@435,2443.74
  Digital_signal w15: C71.2@60,1872.96 60,1872.45 71.24,1861.21 85,1861.21 R51.1@109.41,1861.21 ; R51.1@110,1861.8 110,1864.3 112.5,1866.8 121.1,1866.8 160,1905.7 R50.1@160,1908.2
ADC_BUCK_OUT: C68.2 R5.1 R6.1 U13.14 | length 2023.7
  A_signal w10: v1(80,1190) 47,1223 47,2012 270,2235 270,2540 392,2662 v1(506,2662)
  Digital_signal w10: R5.1@75,1125.7 R5.1@75,1128.2 ; v1(506,2662) 509.21,2662 523.58,2647.63 U13.14@523.58,2591.38
  Digital_signal w15: R5.1@75,1125.7 77.5,1123.2 94.3,1123.2 135,1082.5 R6.1@135,1080 ; R5.1@75,1128.2 75,1182.56 80,1187.56 v1(80,1190) ; R6.1@140.46,1087.96 C68.2@195,1087.96
ADC_JUDGE_IN: C66.2 R16.1 R21.1 U13.15 | length 3281.2
  A_signal w10: v1(530,2680) 562,2712 1014.53,2712 1021.39,2718.87 1406.13,2718.87 2505,1620 2505,1305 v1(2625,1185)
  Digital_signal w10: v1(530,2680) 530,2676.21 543.27,2662.94 U13.15@543.27,2591.38 ; R16.1@2852.78,1194.89 R16.1@2852.78,1197.39
  Digital_signal w15: v1(2625,1185) 2652.24,1157.76 C66.2@2762.56,1157.76 R21.1@2800.73,1157.76 ; R21.1@2806.45,1149.54 2806.45,1152.04 2846.8,1192.39 2850.28,1192.39 R16.1@2852.78,1194.89
Adc_Motor_Out: C69.2 R26.1 R27.1 U13.13 | length 1795.4
  A_signal w10: v1(535,2785) 535,2832.47 522,2845.47 522,2929.53 687.47,3095 1550,3095 v1(1590,3055)
  Digital_signal w10: U13.13@503.9,2591.38 503.9,2624.84 483,2645.74 483,2733 v1(535,2785)
  Digital_signal w15: v1(1590,3055) 1646.8,2998.2 R26.1@1675,2998.2 1675,2995.7 1720.7,2950 R27.1@1740,2950 ; R27.1@1745,2950 1807.55,2950 1815,2957.45 C69.2@1815,2957.96
Adc_Source: C70.2 R48.1 R49.1 U13.9 | length 4175.2
  Power w10: v1(340,2480) 371,2480 618.41,2727.41 618.41,2782.35 v1(620.4,2784.33)
  A_signal w10: v1(620.4,2784.33) 713,2876.94 713,3031.84 730.16,3049 931,3049 1011.5,2968.5 1011.5,2794.66 1046.97,2759.19 1425.81,2759.19 1545,2640 1655,2640 1722.69,2707.69 1722.69,2904.83 1765.86,2948 2180.2,2948 2615,2513.2 2615,1970 v1(2655,1930)
  Digital_signal w10: v1(340,2480) 343.79,2480 360.36,2463.43 U13.9@435,2463.43
  Digital_signal w15: R48.1@2520,1968.2 2520,1965.7 R49.1@2567.04,1918.66 ; R49.1@2574.15,1920.58 C70.2@2618.49,1920.58 ; C70.2@2624.15,1926.74 2625.78,1928.37 2653.37,1928.37 v1(2655,1930)
AG: C38.1 R53.2 U2.5 U6.2 U6.8 | length 2442.9
  Power w15: R53.2@119.05,237.49 121.57,240 298,240 v1(353,295) ; C38.1@290,1710 290,1680 v1(315,1655)
  A_signal w10: v1(315,1655) 351,1619 351,297 v1(353,295)
  A_signal w15: v1(315,1655) 315,1745 353.28,1783.28 353.28,1793.28 v1(355,1795)
  Digital_signal w10: v1(353,295) 475,295 500,270 U2.5@500,184.53
  Digital_signal w15: v1(355,1795) 353.28,1796.72 353.28,1821.72 319,1856 U6.2@319,1884 320.72,1885.72 320.72,1925.72 369,1974 U6.8@369,2104
BG1: Q2.1 Q6.1 U1.18 | length 1247.6
  Power w10: U1.18@1580.98,516.5 1639.12,516.5 1645.41,522.79 1662.79,522.79 1683.41,543.41 1683.41,544.62 1690,551.21 v1(1690,555)
  A_signal w10: v1(1583.27,1602.56) 1582.56,1602.56 1555,1575 1555,1360 1562.07,1352.93 1565.32,1352.93 1579.48,1338.77 v1(1583.27,1338.77) 1671,1251.03 1671,604 1690,585 v1(1690,555)
BG2: Q4.1 Q8.1 U1.19 | length 1442
  Power w10: U1.19@1580.98,536.18 1636.18,536.18 v1(1655,555)
  A_signal w10: v1(1326.73,1761.23) 1305,1739.5 1305,1519.17 1655,1169.17 v1(1655,555)
  other v1: 1326.73,1497.44
Buck_Ctr: R46.2 U13.12 | length 3420.1
  A_signal w10: v1(545,2525) 547.68,2527.68 557.68,2527.68 558,2528 782,2528 960,2350 960,2295 735,2070 735,510 1165,80 1345,80 v1(1385,120)
  Digital_signal w10: U13.12@435,2522.48 542.48,2522.48 v1(545,2525) ; v1@1393.79,125 R46.2@1435,125
BUCK_CURRENT_IN: U10.7 U13.16 | length 4422.4
  Power w15: U10.7@2480,600.51 2480,520 v1(2505,495)
  A_signal w15: v1(545,2750) 547.44,2750 552.94,2744.5 616.62,2744.5 674.06,2801.94 731.5,2859.38 731.5,3021.21 740.29,3030 920,3030 993,2957 993,2787 1039.4,2740.6 1414.4,2740.6 2525,1630 2525,1330 2655,1200 2655,630 2521.72,496.72 2506.72,496.72 v1(2505,495)
  Digital_signal w10: v1(545,2750) 548.79,2750 556.65,2742.14 562.95,2742.14 U13.16@562.95,2591.38
BUCK_EN: Q12.1 U1.9 U13.46 | length 4445.9
  Power w10: U1.9@1580.98,339.33 1640.67,339.33 1642.32,337.68 1647.32,337.68 v1(1650,335)
  A_signal w10: v1(345,2235) 347.53,2235 422.45,2160.08 519.03,2160.08 v1(519.48,2160.52)
  Digital_signal w10: v1(345,2235) 337.5,2242.5 252.5,2242.5 174.11,2164.11 157.11,2164.11 Q12.1@145,2152 132,2165 45.86,2165 29,2148.14 29,1776 45,1760 45,200 82.5,162.5 163,82 1287,82 1360,155 1415,155 1595,335 v1(1650,335) ; v1(519.48,2160.52) 520.52,2160.52 543.27,2183.27 U13.46@543.27,2237.05
BUCK_OUT: Cap.1 D3.1 IC4.9 R5.2 R11.2 R12.2 R15.2 | length 3021.5
  Power w10: 570,830 570,809.21 591.28,787.93 614.21,765 635,765 645,755 645,552.5 881.25,316.25 906.64,316.25 907.5,315.38 910,315.38 915,310.38 R12.2@915,307.88 ; 627.07,782.07 669.14,782.07 675,776.21 675,662.37 937.37,400 R11.2@986.8,400
  Digital_signal w10: 105,760 195,670 Cap.1@180.01,670 ; IC4.9@670,813.7 701.2,782.5 1062.5,782.5 1250,595 1630,595 1641.41,606.41 1641.41,632.51 D3.1@1658.9,650 ; D3.1@1653.9,645 D3.1@1681.32,633.03
  Digital_signal w15: R5.2@75,1080 75,775.01 Cap.1@180.01,670
CAN_OUT_N: P2.2 P6.2 P8.2 R39.1 U6.6 | length 1006.3
  Power w10: P8.2@170.75,2405 170.75,2377.44 156.14,2362.83 156.14,2187.36 170.75,2172.76 P6.2@170.75,2145.2 170.75,2117.64 156.14,2103.03 156.14,2006.37 156.14,1927.56 170.75,1912.95 P2.2@170.75,1885.39 170.75,1857.83 156.14,1843.23 156.14,1833.05 162,1827.2 190.55,1827.2 204.94,1841.59 253.49,1841.59 290.9,1879 290.9,1889.14 285.04,1895 281.8,1895 R39.1@276.8,1900 281.8,1905 285.04,1905 297.58,1917.54 297.58,1927.43 303.54,1933.39 303.54,1957.14
  Digital_signal w10: U6.6@269,2104 269,2078.14 284,2063.14 284,1991 294.7,1980.3 294.7,1971.85 v1(297.38,1969.17)
CAN_OUT_P: P2.1 P6.1 P8.1 R39.2 U6.7 | length 1086.4
  Power w10: P8.1@121.53,2405 121.53,2377.44 136.14,2362.83 136.14,2187.36 121.53,2172.76 P6.1@121.53,2145.2 121.53,2117.64 136.14,2103.03 136.14,1998.09 136.14,1927.56 121.53,1912.95 P2.1@121.53,1885.39 121.53,1857.83 136.14,1843.23 136.14,1824.77 153.72,1807.2 198.83,1807.2 213.23,1821.59 261.77,1821.59 310.9,1870.72 310.9,1889.14 316.76,1895 320,1895 R39.2@325,1900 322.58,1900 317.58,1905 317.58,1919.14 323.54,1925.1 323.54,1975.76 v1(325.99,1978.2)
  Digital_signal w10: U6.7@319,2104 319,2078.14 304,2063.14 304,1999.28 v1@327.67,1975.61
CAN_RX: U6.4 U13.33 | length 906.9
  A_signal w10: v1(230,1935) 371.73,1935 583.21,2146.48 583.21,2314.92 590,2321.71 v1(590,2324.5)
  Digital_signal w10: U6.4@219,1884 219,1915.79 227.32,1924.11 227.32,1932.32 v1(230,1935) ; v1(590,2324.5) 592.68,2327.18 592.68,2337.68 629,2374 725.66,2374 734.65,2365 U13.33@789.33,2365
CAN_TX: U6.1 U13.34 | length 775.3
  A_signal w10: v1@538.38,2047.25 538.38,2078.91 599.44,2139.97 599.44,2300.26 621.12,2321.93 v1(621.12,2323.89)
  Digital_signal w10: U6.1@369,1884 371.68,1886.68 371.68,1936.68 401.5,1966.5 459.03,1966.5 v1(539.08,2046.55) ; v1(621.12,2323.89) 621.6,2324.37 621.6,2341.6 638,2358 718.03,2358 721.46,2354.57 722.46,2354.57 731.71,2345.32 U13.34@789.33,2345.32
Cap_Power: Q10.1 U8.2 U13.4 | length 3485.6
  A_signal w10: v1(513.74,2408.74) 513.74,2411.26 484,2441 484,2529 525,2570 1245,2570 2030,1785 2030,1080 2002.68,1052.68 1982.68,1052.68 v1(1980,1050)
  Digital_signal w10: U13.4@435,2365 510,2365 517.68,2372.68 517.68,2381.01 516.42,2382.27 516.42,2406.06 v1(513.74,2408.74) ; Q10.1@1675,880 1675,933.26 1672,936.26 1672,1047 1715,1090 1940,1090 v1(1980,1050) 1978.75,1048.75 1978.75,988.97 U8.2@1977.5,987.72
DG: C52.2 C53.2 C54.2 C55.2 C56.2 C57.2 R28.2 R52.2 U13.23 U13.35 U13.47 | length 1073.4
  Power w10: C53.2@525,2275 526.5,2276.5 C53.2@526.5,2280
  Power w15: C52.2@360,2340 505.56,2340 v1@525.56,2320 ; C53.2@525.5,2280 C53.2@525,2280 525,2314.56 528,2317.56 v1(528,2320) 558,2350 C55.2@660,2350 685.5,2350 C54.2@708.33,2350 ; R28.2@684.95,2704.68 687.45,2704.68 689.95,2702.18 689.95,2699.68 700,2689.63 v1(700,2664.59) 698.28,2662.87 698.28,2643.28 690,2635 690,2632.5 687.5,2630 C56.2@685,2630 ; C57.2@685.25,2560.25 C56.2@685.25,2629.75
  Digital_signal w10: R52.2@485.49,2108.69 R52.2@486.8,2110 484.3,2110 457,2137.3 457,2249 v1(528,2320) ; U13.23@700.4,2591.72 U13.23@700.75,2591.38
  Digital_signal w12: U13.47@523.58,2237.05 523.58,2312.33 528,2316.75 v1(528,2320) ; v1(700,2664.59) 700.4,2664.19 U13.23@700.4,2591.72 ; v1(706.5,2334.5) 709.75,2334.5 718.62,2325.63 U13.35@789.33,2325.63
GA1_IN: IC2.1 U8.16 | length 335.7
  Digital_signal w10: U8.16@2002.5,1202.28 2003.98,1200.81 2003.98,1153.65 2032.63,1125 2060,1125 2123.76,1061.24 2148.76,1061.24 2166.02,1043.98 IC2.1@2166.02,965
GA2_IN: IC4.1 U8.11 | length 1615.5
  Digital_signal w10: IC4.1@499.65,1117.83 IC4.1@499.65,1162.83 ; IC4.1@504.65,1117.83 504.65,1045.35 535,1015 920,1015 1030,1125 1860,1125 1877.5,1142.5 U8.11@1877.5,1202.28
GB1_IN: IC1.1 U8.14 | length 669.4
  Digital_signal w10: U8.14@1952.5,1202.28 1952.5,1255 1972.5,1275 2455,1275 2493.46,1236.54 IC1.1@2493.46,1185
GB2_IN: IC3.1 U8.9 | length 1024.1
  Digital_signal w10: IC3.1@865.87,1214.65 960.35,1214.65 1018,1157 1816,1157 1827.5,1168.5 U8.9@1827.5,1202.28